# Allegro board 6089-119-RevB_08.brd (continued)
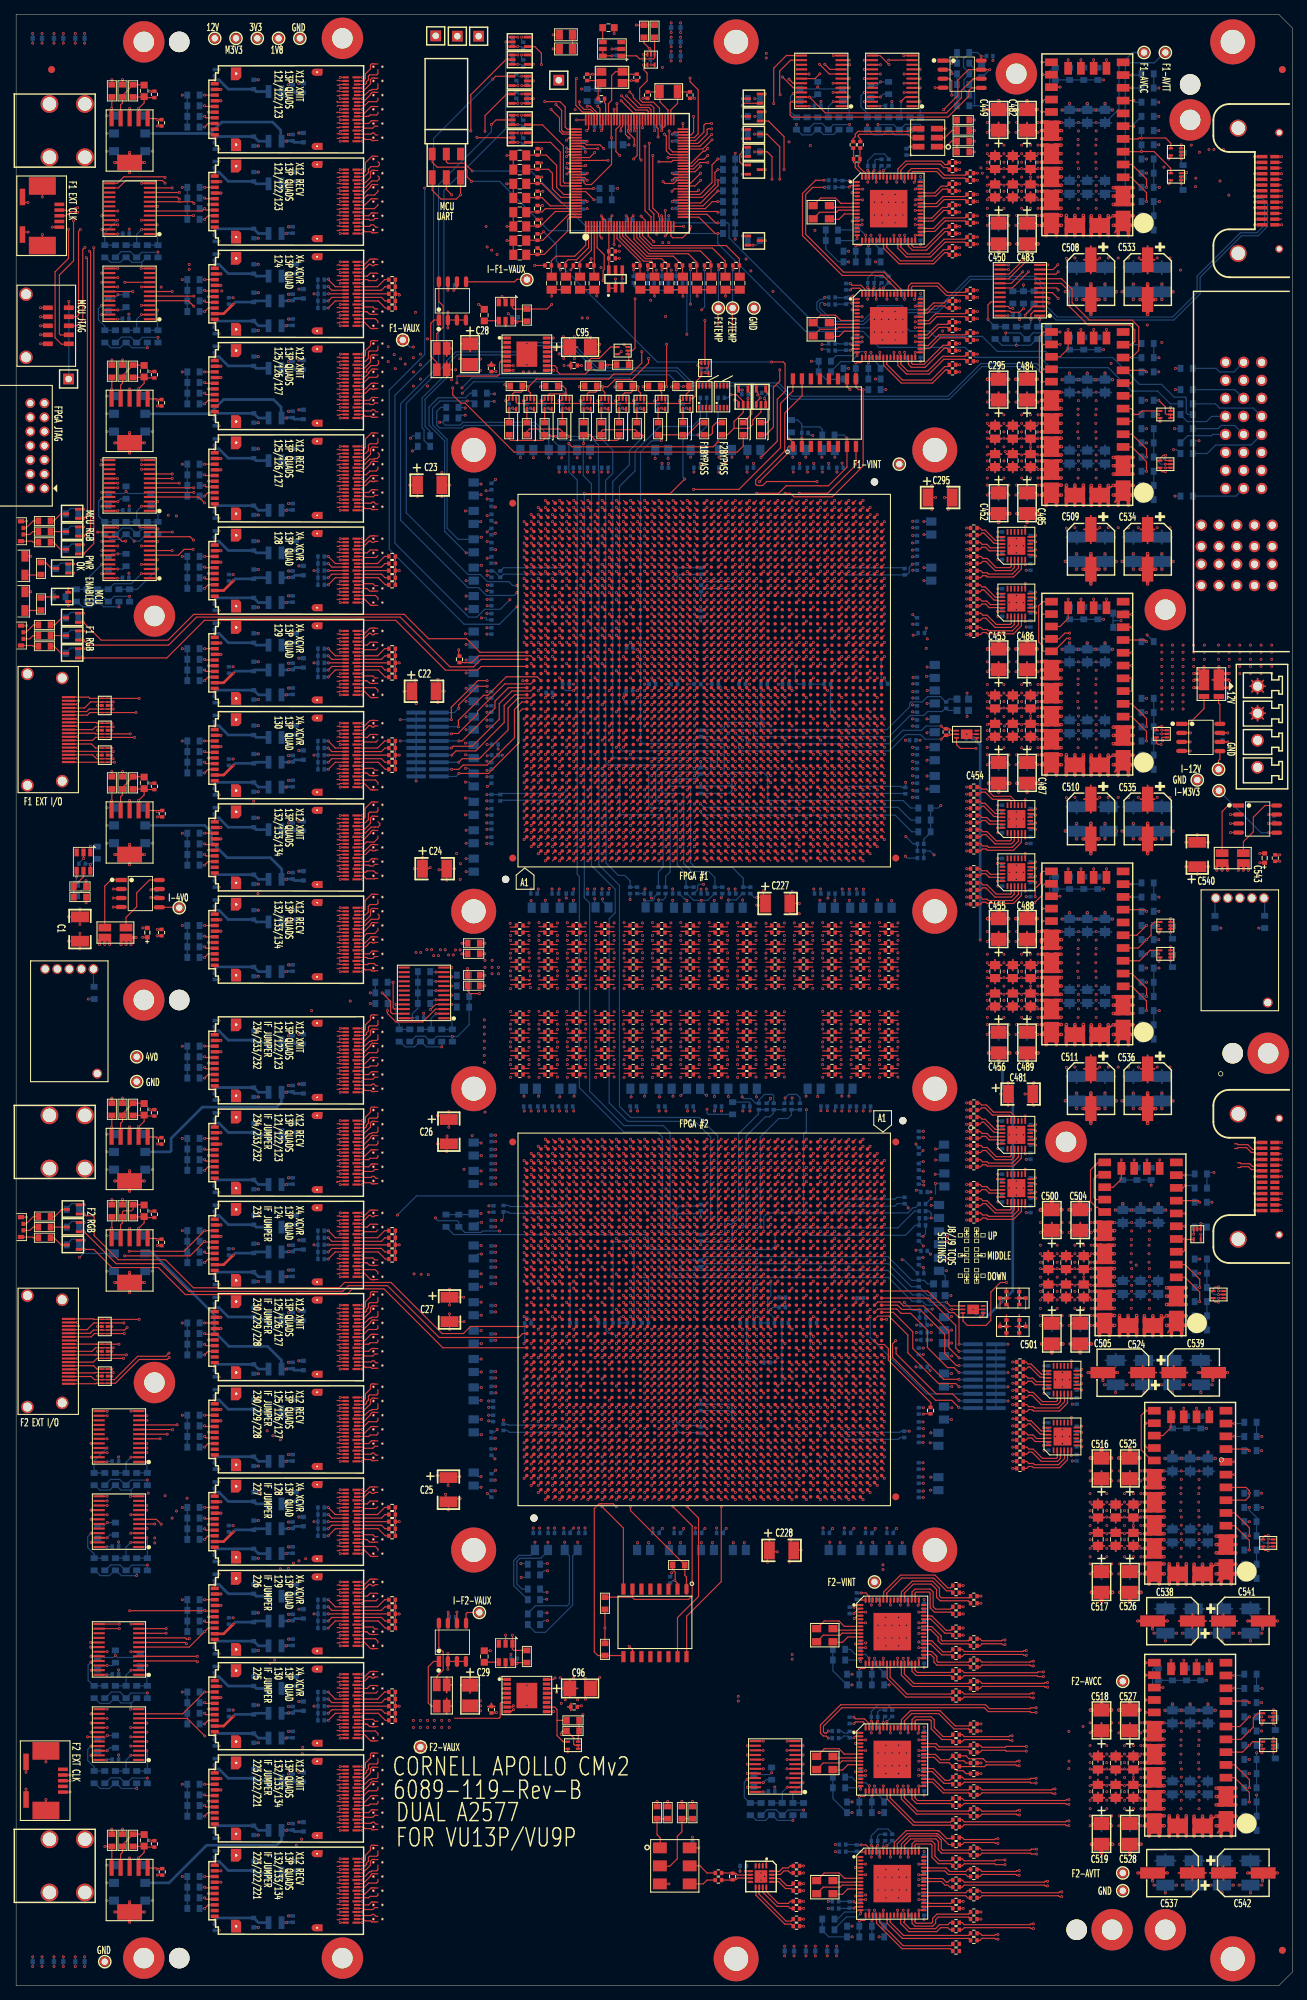
[diagram p0: board, top side]
## Routing (per net, layer and track width the routed paths; a pad name or vN(x,y) marks a point on that pad's centre or on a via; arc(x,y) is an arc through that point) (continued)
; 49.95,57.09 VA85.3 ; VA85.3 49.98,56.9 ; VA85.3 50.18,56.49 ; VA85.3 49.95,56.71 ; VA85.3 50.04,57.22 ; VA85.3 50.04,56.58 ; VA85.3 50.37,56.52 ; VA85.3 50.37,57.28 ; 50.04,132.08 VA55.3 ; VA55.3 49.98,132.4 ; VA55.3 49.95,132.21 ; VA55.3 50.37,132.78 ; VA55.3 49.95,132.59 ; VA55.3 50.37,132.02 ; VA55.3 50.04,132.72 ; VA55.3 50.18,131.99 ; 49.95,37.09 VA91.4 ; VA91.4 50.37,36.52 ; VA91.4 49.95,36.71 ; VA91.4 50.04,37.22 ; VA91.4 50.37,37.28 ; VA91.4 50.04,36.58 ; VA91.4 50.18,36.49 ; VA91.4 49.98,36.9 ; 51.63,168.52 VA40.3 ; VA40.3 51.96,168.58 ; VA40.3 52.05,169.09 ; VA40.3 51.63,169.28 ; VA40.3 52.05,168.71 ; VA40.3 51.82,169.31 ; VA40.3 52.02,168.9 ; VA40.3 51.96,169.22 ; VA42.4 52.05,164.59 ; VA42.4 51.63,164.78 ; VA42.4 52.05,164.21 ; VA42.4 51.96,164.72 ; VA42.4 51.82,164.81 ; VA42.4 51.63,164.02 ; VA42.4 51.96,164.08 ; VA42.4 52.02,164.4 ; VA99.4 51.96,19.72 ; VA99.4 52.05,19.59 ; VA99.4 51.63,19.78 ; VA99.4 51.82,19.81 ; VA99.4 51.96,19.08 ; VA99.4 52.05,19.21 ; VA99.4 51.63,19.02 ; VA99.4 52.02,19.4 ; VA53.4 51.63,136.78 ; VA53.4 51.96,136.72 ; VA53.4 51.63,136.02 ; VA53.4 51.96,136.08 ; VA53.4 52.05,136.21 ; VA53.4 51.82,136.81 ; VA53.4 52.02,136.4 ; VA53.4 52.05,136.59 ; VA76.3 50.37,82.78 ; VA76.3 50.04,82.08 ; VA76.3 49.98,82.4 ; VA76.3 50.37,82.02 ; VA76.3 50.04,82.72 ; VA76.3 49.95,82.59 ; VA76.3 50.18,81.99 ; VA76.3 49.95,82.21 ; 49.95,158.59 VA45.3 ; VA45.3 50.37,158.78 ; VA45.3 49.98,158.4 ; VA45.3 49.95,158.21 ; VA45.3 50.04,158.08 ; VA45.3 50.18,157.99 ; VA45.3 50.37,158.02 ; VA45.3 50.04,158.72 ; VA9.4 52.05,253.59 ; VA9.4 52.02,253.4 ; VA9.4 51.63,253.78 ; VA9.4 51.82,253.81 ; VA9.4 51.96,253.08 ; VA9.4 51.63,253.02 ; VA9.4 51.96,253.72 ; VA9.4 52.05,253.21 ; 51.63,251.02 VA10.4 ; VA10.4 52.02,251.4 ; VA10.4 52.05,251.21 ; VA10.4 52.05,251.59 ; VA10.4 51.63,251.78 ; VA10.4 51.96,251.72 ; VA10.4 51.96,251.08 ; VA10.4 51.82,251.81 ; VA21.4 51.82,223.81 ; VA21.4 52.05,223.59 ; VA21.4 51.63,223.02 ; VA21.4 52.02,223.4 ; VA21.4 52.05,223.21 ; VA21.4 51.96,223.08 ; VA21.4 51.96,223.72 ; VA21.4 51.63,223.78 ; VA18.4 51.63,229.78 ; VA18.4 51.96,229.72 ; VA18.4 51.63,229.02 ; VA18.4 52.05,229.59 ; VA18.4 51.96,229.08 ; VA18.4 51.82,229.81 ; VA18.4 52.02,229.4 ; VA18.4 52.05,229.21 ; VA7.4 51.82,257.81 ; VA7.4 51.63,257.78 ; VA7.4 52.05,257.21 ; VA7.4 51.96,257.08 ; VA7.4 52.02,257.4 ; VA7.4 51.63,257.02 ; VA7.4 52.05,257.59 ; VA7.4 51.96,257.72 ; 49.95,61.09 VA84.4 ; VA84.4 49.95,60.71 ; VA84.4 50.04,60.58 ; VA84.4 50.37,60.52 ; VA84.4 50.04,61.22 ; VA84.4 49.98,60.9 ; VA84.4 50.18,60.49 ; VA84.4 50.37,61.28 ; 50.37,24.02 VA97.3 ; VA97.3 49.98,24.4 ; VA97.3 50.04,24.72 ; VA97.3 49.95,24.59 ; VA97.3 50.04,24.08 ; VA97.3 50.18,23.99 ; VA97.3 49.95,24.21 ; VA97.3 50.37,24.78 ; VA77.3 50.37,80.78 ; VA77.3 49.98,80.4 ; VA77.3 50.04,80.72 ; VA77.3 49.95,80.21 ; VA77.3 50.37,80.02 ; VA77.3 50.04,80.08 ; VA77.3 50.18,79.99 ; VA77.3 49.95,80.59 ; 49.95,233.71 VA16.4 ; VA16.4 49.95,234.09 ; VA16.4 50.04,233.58 ; VA16.4 50.37,234.28 ; VA16.4 50.37,233.52 ; VA16.4 50.18,233.49 ; VA16.4 49.98,233.9 ; VA16.4 50.04,234.22 ; VA65.4 51.82,109.31 ; VA65.4 51.63,109.28 ; VA65.4 52.05,108.71 ; VA65.4 52.05,109.09 ; VA65.4 51.63,108.52 ; VA65.4 51.96,108.58 ; VA65.4 52.02,108.9 ; VA65.4 51.96,109.22 ; 49.95,126.59 VA58.3 ; VA58.3 50.18,125.99 ; VA58.3 50.04,126.72 ; VA58.3 50.37,126.02 ; VA58.3 49.98,126.4 ; VA58.3 50.37,126.78 ; VA58.3 49.95,126.21 ; VA58.3 50.04,126.08 ; 49.95,22.59 VA98.3 ; VA98.3 50.18,21.99 ; VA98.3 49.95,22.21 ; VA98.3 50.04,22.72 ; VA98.3 49.98,22.4 ; VA98.3 50.04,22.08 ; VA98.3 50.37,22.02 ; VA98.3 50.37,22.78 ; 50.37,11.02 VA103.3 ; VA103.3 50.04,11.72 ; VA103.3 50.37,11.78 ; VA103.3 49.98,11.4 ; VA103.3 49.95,11.21 ; VA103.3 49.95,11.59 ; VA103.3 50.18,10.99 ; VA103.3 50.04,11.08 ; VA44.4 52.02,160.4 ; VA44.4 51.82,160.81 ; VA44.4 52.05,160.59 ; VA44.4 51.63,160.02 ; VA44.4 51.96,160.08 ; VA44.4 52.05,160.21 ; VA44.4 51.96,160.72 ; VA44.4 51.63,160.78 ; VA33.4 52.02,190.9 ; VA33.4 51.63,191.28 ; VA33.4 51.63,190.52 ; VA33.4 51.96,190.58 ; VA33.4 51.96,191.22 ; VA33.4 51.82,191.31 ; VA33.4 52.05,190.71 ; VA33.4 52.05,191.09 ; 50.04,32.08 VA93.3 ; VA93.3 50.37,32.02 ; VA93.3 49.98,32.4 ; VA93.3 50.18,31.99 ; VA93.3 49.95,32.59 ; VA93.3 50.37,32.78 ; VA93.3 50.04,32.72 ; VA93.3 49.95,32.21 ; 51.63,149.02 VA49.4 ; VA49.4 51.63,149.78 ; VA49.4 51.82,149.81 ; VA49.4 52.02,149.4 ; VA49.4 52.05,149.21 ; VA49.4 51.96,149.08 ; VA49.4 51.96,149.72 ; VA49.4 52.05,149.59 ; VA104.4 51.82,9.81 ; VA104.4 52.02,9.4 ; VA104.4 51.96,9.72 ; VA104.4 52.05,9.59 ; VA104.4 52.05,9.21 ; VA104.4 51.63,9.78 ; VA104.4 51.96,9.08 ; VA104.4 51.63,9.02 ; VA48.3 50.37,151.78 ; VA48.3 49.98,151.4 ; VA48.3 50.04,151.72 ; VA48.3 50.18,150.99 ; VA48.3 50.04,151.08 ; VA48.3 49.95,151.59 ; VA48.3 50.37,151.02 ; VA48.3 49.95,151.21 ; 49.98,190.9 VA33.3 ; VA33.3 50.18,190.49 ; VA33.3 49.95,191.09 ; VA33.3 50.04,190.58 ; VA33.3 50.04,191.22 ; VA33.3 50.37,190.52 ; VA33.3 49.95,190.71 ; VA33.3 50.37,191.28 ; 50.04,253.72 VA9.3 ; VA9.3 50.04,253.08 ; VA9.3 49.95,253.59 ; VA9.3 50.18,252.99 ; VA9.3 50.37,253.78 ; VA9.3 49.98,253.4 ; VA9.3 50.37,253.02 ; VA9.3 49.95,253.21 ; VA20.4 51.96,225.72 ; VA20.4 52.05,225.59 ; VA20.4 51.82,225.81 ; VA20.4 51.63,225.78 ; VA20.4 52.05,225.21 ; VA20.4 52.02,225.4 ; VA20.4 51.63,225.02 ; VA20.4 51.96,225.08 ; VA40.4 50.37,169.28 ; VA40.4 50.37,168.52 ; VA40.4 50.04,168.58 ; VA40.4 50.18,168.49 ; VA40.4 49.98,168.9 ; VA40.4 49.95,169.09 ; VA40.4 50.04,169.22 ; VA40.4 49.95,168.71 ; 50.04,203.58 VA29.3 ; VA29.3 49.95,204.09 ; VA29.3 50.37,204.28 ; VA29.3 49.95,203.71 ; VA29.3 49.98,203.9 ; VA29.3 50.37,203.52 ; VA29.3 50.18,203.49 ; VA29.3 50.04,204.22 ; 51.63,130.02 VA56.4 ; VA56.4 52.05,130.59 ; VA56.4 51.96,130.72 ; VA56.4 52.02,130.4 ; VA56.4 52.05,130.21 ; VA56.4 51.96,130.08 ; VA56.4 51.63,130.78 ; VA56.4 51.82,130.81 ; VA86.4 51.82,55.31 ; VA86.4 52.05,54.71 ; VA86.4 51.63,54.52 ; VA86.4 52.02,54.9 ; VA86.4 51.96,55.22 ; VA86.4 52.05,55.09 ; VA86.4 51.96,54.58 ; VA86.4 51.63,55.28 ; VA94.4 51.82,30.81 ; VA94.4 51.63,30.02 ; VA94.4 52.05,30.21 ; VA94.4 51.63,30.78 ; VA94.4 51.96,30.72 ; VA94.4 52.05,30.59 ; VA94.4 52.02,30.4 ; VA94.4 51.96,30.08 ; VA77.4 51.63,80.78 ; VA77.4 51.96,80.72 ; VA77.4 51.82,80.81 ; VA77.4 51.96,80.08 ; VA77.4 52.05,80.59 ; VA77.4 52.05,80.21 ; VA77.4 51.63,80.02 ; VA77.4 52.02,80.4 ; VA89.4 51.63,44.28 ; VA89.4 51.96,43.58 ; VA89.4 52.05,44.09 ; VA89.4 52.02,43.9 ; VA89.4 51.63,43.52 ; VA89.4 51.96,44.22 ; VA89.4 51.82,44.31 ; VA89.4 52.05,43.71 ; VA85.4 51.96,57.22 ; VA85.4 52.05,57.09 ; VA85.4 52.02,56.9 ; VA85.4 51.96,56.58 ; VA85.4 51.82,57.31 ; VA85.4 51.63,56.52 ; VA85.4 52.05,56.71 ; VA85.4 51.63,57.28 ; 166.5,169.02 PM24.1 ; PM24.1 167.17,169.23 ; PM24.1 165.83,170.57 ; PM24.1 166.5,170.78 ; PM24.1 165.83,169.23 ; PM24.1 167.38,169.9 ; PM24.1 167.17,170.57 ; PM24.1 165.62,169.9 ; 50.18,83.99 VA75.3 ; VA75.3 50.37,84.02 ; VA75.3 50.04,84.72 ; VA75.3 50.37,84.78 ; VA75.3 49.98,84.4 ; VA75.3 49.95,84.59 ; VA75.3 49.95,84.21 ; VA75.3 50.04,84.08 ; VA37.4 51.96,177.58 ; VA37.4 52.02,177.9 ; VA37.4 51.63,178.28 ; VA37.4 52.05,177.71 ; VA37.4 51.96,178.22 ; VA37.4 51.82,178.31 ; VA37.4 51.63,177.52 ; VA37.4 52.05,178.09 ; PM16.1 104.88,236.4 ; PM16.1 103.12,236.4 ; PM16.1 103.33,237.07 ; PM16.1 104.67,235.73 ; PM16.1 104,237.28 ; PM16.1 104.67,237.07 ; PM16.1 103.33,235.73 ; PM16.1 104,235.52 ; 49.95,149.21 VA49.3 ; VA49.3 50.04,149.72 ; VA49.3 50.37,149.78 ; VA49.3 49.95,149.59 ; VA49.3 50.18,148.99 ; VA49.3 50.37,149.02 ; VA49.3 49.98,149.4 ; VA49.3 50.04,149.08 ; VA59.4 52.05,123.59 ; VA59.4 51.63,123.02 ; VA59.4 52.05,123.21 ; VA59.4 52.02,123.4 ; VA59.4 51.96,123.72 ; VA59.4 51.63,123.78 ; VA59.4 51.96,123.08 ; VA59.4 51.82,123.81 ; VA50.4 51.96,147.08 ; VA50.4 51.63,147.02 ; VA50.4 51.82,147.81 ; VA50.4 51.96,147.72 ; VA50.4 52.05,147.59 ; VA50.4 52.05,147.21 ; VA50.4 52.02,147.4 ; VA50.4 51.63,147.78 ; VA72.4 51.82,91.81 ; VA72.4 51.63,91.02 ; VA72.4 52.05,91.21 ; VA72.4 51.96,91.08 ; VA72.4 51.63,91.78 ; VA72.4 52.05,91.59 ; VA72.4 52.02,91.4 ; VA72.4 51.96,91.72 ; VA93.4 51.96,32.72 ; VA93.4 51.82,32.81 ; VA93.4 51.63,32.78 ; VA93.4 52.02,32.4 ; VA93.4 51.63,32.02 ; VA93.4 52.05,32.21 ; VA93.4 51.96,32.08 ; VA93.4 52.05,32.59 ; 49.95,13.59 VA102.3 ; VA102.3 50.04,13.08 ; VA102.3 49.98,13.4 ; VA102.3 50.37,13.78 ; VA102.3 50.18,12.99 ; VA102.3 50.04,13.72 ; VA102.3 49.95,13.21 ; VA102.3 50.37,13.02 ; 49.98,247.4 VA12.3 ; VA12.3 49.95,247.21 ; VA12.3 50.04,247.72 ; VA12.3 50.37,247.02 ; VA12.3 49.95,247.59 ; VA12.3 50.37,247.78 ; VA12.3 50.18,246.99 ; VA12.3 50.04,247.08 ; 50.04,182.22 VA36.4 ; VA36.4 49.95,182.09 ; VA36.4 50.04,181.58 ; VA36.4 50.18,181.49 ; VA36.4 50.37,181.52 ; VA36.4 49.95,181.71 ; VA36.4 50.37,182.28 ; VA36.4 49.98,181.9 ; 49.95,221.59 VA22.3 ; VA22.3 50.18,220.99 ; VA22.3 50.37,221.02 ; VA22.3 50.04,221.72 ; VA22.3 50.37,221.78 ; VA22.3 50.04,221.08 ; VA22.3 49.95,221.21 ; VA22.3 49.98,221.4 ; VA83.3 51.63,63.28 ; VA83.3 52.05,62.71 ; VA83.3 51.82,63.31 ; VA83.3 51.63,62.52 ; VA83.3 52.02,62.9 ; VA83.3 51.96,63.22 ; VA83.3 52.05,63.09 ; VA83.3 51.96,62.58 ; 50.37,49.52 VA87.4 ; VA87.4 50.04,49.58 ; VA87.4 49.95,50.09 ; VA87.4 50.37,50.28 ; VA87.4 50.18,49.49 ; VA87.4 49.95,49.71 ; VA87.4 49.98,49.9 ; VA87.4 50.04,50.22 ; 50.37,134.02 VA54.3 ; VA54.3 49.95,134.59 ; VA54.3 50.04,134.08 ; VA54.3 50.18,133.99 ; VA54.3 50.37,134.78 ; VA54.3 49.95,134.21 ; VA54.3 50.04,134.72 ; VA54.3 49.98,134.4 ; VA23.3 50.37,218.78 ; VA23.3 50.04,218.08 ; VA23.3 50.04,218.72 ; VA23.3 50.18,217.99 ; VA23.3 49.98,218.4 ; VA23.3 49.95,218.59 ; VA23.3 50.37,218.02 ; VA23.3 49.95,218.21 ; VA14.4 52.05,241.09 ; VA14.4 51.96,241.22 ; VA14.4 52.05,240.71 ; VA14.4 51.63,240.52 ; VA14.4 52.02,240.9 ; VA14.4 51.63,241.28 ; VA14.4 51.82,241.31 ; VA14.4 51.96,240.58 ; 51.63,212.02 VA26.4 ; VA26.4 51.96,212.08 ; VA26.4 51.96,212.72 ; VA26.4 52.02,212.4 ; VA26.4 52.05,212.59 ; VA26.4 51.82,212.81 ; VA26.4 51.63,212.78 ; VA26.4 52.05,212.21 ; VA62.4 51.63,117.78 ; VA62.4 52.05,117.59 ; VA62.4 52.05,117.21 ; VA62.4 52.02,117.4 ; VA62.4 51.96,117.72 ; VA62.4 51.63,117.02 ; VA62.4 51.96,117.08 ; VA62.4 51.82,117.81 ; 16.33,126.73 PM3.1 ; PM3.1 16.12,127.4 ; PM3.1 17.67,126.73 ; PM3.1 16.33,128.07 ; PM3.1 17,128.28 ; PM3.1 17,126.52 ; PM3.1 17.88,127.4 ; PM3.1 17.67,128.07 ; 49.95,170.71 VA39.4 ; VA39.4 50.18,170.49 ; VA39.4 50.37,170.52 ; VA39.4 49.98,170.9 ; VA39.4 50.37,171.28 ; VA39.4 49.95,171.09 ; VA39.4 50.04,171.22 ; VA39.4 50.04,170.58 ; VA90.4 52.05,42.09 ; VA90.4 51.63,42.28 ; VA90.4 52.05,41.71 ; VA90.4 51.82,42.31 ; VA90.4 51.96,41.58 ; VA90.4 51.63,41.52 ; VA90.4 52.02,41.9 ; VA90.4 51.96,42.22 ; VA84.3 51.96,61.22 ; VA84.3 52.05,60.71 ; VA84.3 51.96,60.58 ; VA84.3 51.82,61.31 ; VA84.3 51.63,61.28 ; VA84.3 51.63,60.52 ; VA84.3 52.05,61.09 ; VA84.3 52.02,60.9 ; 50.37,268.02 VA2.3 ; VA2.3 49.98,268.4 ; VA2.3 49.95,268.21 ; VA2.3 50.37,268.78 ; VA2.3 49.95,268.59 ; VA2.3 50.04,268.08 ; VA2.3 50.04,268.72 ; VA2.3 50.18,267.99 ; 50.04,44.22 VA89.3 ; VA89.3 49.95,44.09 ; VA89.3 50.37,43.52 ; VA89.3 49.98,43.9 ; VA89.3 49.95,43.71 ; VA89.3 50.37,44.28 ; VA89.3 50.04,43.58 ; VA89.3 50.18,43.49 ; 51.63,128.02 VA57.4 ; VA57.4 52.05,128.21 ; VA57.4 52.02,128.4 ; VA57.4 51.96,128.72 ; VA57.4 51.96,128.08 ; VA57.4 51.63,128.78 ; VA57.4 51.82,128.81 ; VA57.4 52.05,128.59 ; 50.37,28.02 VA95.3 ; VA95.3 50.04,28.72 ; VA95.3 50.18,27.99 ; VA95.3 50.37,28.78 ; VA95.3 49.95,28.21 ; VA95.3 50.04,28.08 ; VA95.3 49.98,28.4 ; VA95.3 49.95,28.59 ; VA13.4 52.05,242.71 ; VA13.4 51.96,243.22 ; VA13.4 51.63,243.28 ; VA13.4 51.96,242.58 ; VA13.4 52.05,243.09 ; VA13.4 51.82,243.31 ; VA13.4 51.63,242.52 ; VA13.4 52.02,242.9 ; 51.63,235.52 VA15.3 ; VA15.3 51.82,236.31 ; VA15.3 51.96,236.22 ; VA15.3 52.05,236.09 ; VA15.3 52.05,235.71 ; VA15.3 51.63,236.28 ; VA15.3 51.96,235.58 ; VA15.3 52.02,235.9 ; VA75.4 52.05,84.21 ; VA75.4 51.96,84.72 ; VA75.4 51.63,84.02 ; VA75.4 52.05,84.59 ; VA75.4 51.82,84.81 ; VA75.4 51.63,84.78 ; VA75.4 51.96,84.08 ; VA75.4 52.02,84.4 ; 49.98,145.4 VA51.3 ; VA51.3 49.95,145.59 ; VA51.3 50.18,144.99 ; VA51.3 49.95,145.21 ; VA51.3 50.04,145.08 ; VA51.3 50.04,145.72 ; VA51.3 50.37,145.02 ; VA51.3 50.37,145.78 ; VA30.4 52.05,201.71 ; VA30.4 51.96,201.58 ; VA30.4 52.02,201.9 ; VA30.4 51.63,201.52 ; VA30.4 51.63,202.28 ; VA30.4 51.82,202.31 ; VA30.4 52.05,202.09 ; VA30.4 51.96,202.22 ; VA80.4 52.05,74.21 ; VA80.4 52.02,74.4 ; VA80.4 51.96,74.08 ; VA80.4 51.82,74.81 ; VA80.4 51.96,74.72 ; VA80.4 51.63,74.78 ; VA80.4 52.05,74.59 ; VA80.4 51.63,74.02 ; VA78.4 52.05,78.21 ; VA78.4 51.96,78.72 ; VA78.4 51.63,78.02 ; VA78.4 52.05,78.59 ; VA78.4 51.63,78.78 ; VA78.4 51.82,78.81 ; VA78.4 52.02,78.4 ; VA78.4 51.96,78.08 ; J5.22 7.31,183.46 ; J5.22 7.57,184.26 ; J5.22 6.5,185.33 ; J5.22 5.43,184.26 ; J5.22 5.69,183.46 ; J5.22 5.69,185.07 ; J5.22 6.5,183.2 ; J5.22 7.31,185.07 ; 49.95,229.21 VA18.3 ; VA18.3 50.37,229.02 ; VA18.3 49.95,229.59 ; VA18.3 50.04,229.08 ; VA18.3 50.37,229.78 ; VA18.3 50.04,229.72 ; VA18.3 50.18,228.99 ; VA18.3 49.98,229.4 ; 12.5,2.52 PM1.1 ; PM1.1 11.62,3.4 ; PM1.1 13.38,3.4 ; PM1.1 11.83,2.73 ; PM1.1 11.83,4.07 ; PM1.1 12.5,4.28 ; PM1.1 13.17,2.73 ; PM1.1 13.17,4.07 ; 50.37,26.02 VA96.3 ; VA96.3 49.95,26.21 ; VA96.3 49.95,26.59 ; VA96.3 50.04,26.08 ; VA96.3 49.98,26.4 ; VA96.3 50.18,25.99 ; VA96.3 50.37,26.78 ; VA96.3 50.04,26.72 ; 51.63,69.52 VA81.4 ; VA81.4 52.02,69.9 ; VA81.4 52.05,69.71 ; VA81.4 51.63,70.28 ; VA81.4 51.96,69.58 ; VA81.4 51.82,70.31 ; VA81.4 51.96,70.22 ; VA81.4 52.05,70.09 ; 49.98,242.9 VA13.3 ; VA13.3 50.04,242.58 ; VA13.3 50.37,243.28 ; VA13.3 50.04,243.22 ; VA13.3 50.37,242.52 ; VA13.3 50.18,242.49 ; VA13.3 49.95,243.09 ; VA13.3 49.95,242.71 ; 50.04,17.72 VA100.3 ; VA100.3 50.37,17.78 ; VA100.3 49.95,17.59 ; VA100.3 49.95,17.21 ; VA100.3 50.18,16.99 ; VA100.3 50.04,17.08 ; VA100.3 50.37,17.02 ; VA100.3 49.98,17.4 ; VA22.4 51.96,221.08 ; VA22.4 51.63,221.78 ; VA22.4 52.05,221.21 ; VA22.4 52.05,221.59 ; VA22.4 51.96,221.72 ; VA22.4 51.82,221.81 ; VA22.4 51.63,221.02 ; VA22.4 52.02,221.4 ; VA81.3 50.37,70.28 ; VA81.3 50.04,70.22 ; VA81.3 49.98,69.9 ; VA81.3 49.95,70.09 ; VA81.3 50.18,69.49 ; VA81.3 50.04,69.58 ; VA81.3 50.37,69.52 ; VA81.3 49.95,69.71 ; 49.95,128.59 VA57.3 ; VA57.3 50.18,127.99 ; VA57.3 49.98,128.4 ; VA57.3 50.37,128.78 ; VA57.3 50.37,128.02 ; VA57.3 50.04,128.08 ; VA57.3 50.04,128.72 ; VA57.3 49.95,128.21 ; VA55.4 52.05,132.59 ; VA55.4 51.63,132.02 ; VA55.4 52.05,132.21 ; VA55.4 51.96,132.72 ; VA55.4 51.96,132.08 ; VA55.4 51.63,132.78 ; VA55.4 52.02,132.4 ; VA55.4 51.82,132.81 ; 50.18,94.99 VA70.3 ; VA70.3 50.37,95.02 ; VA70.3 50.04,95.08 ; VA70.3 50.04,95.72 ; VA70.3 49.95,95.21 ; VA70.3 50.37,95.78 ; VA70.3 49.95,95.59 ; VA70.3 49.98,95.4 ; 50.04,113.72 VA64.3 ; VA64.3 49.98,113.4 ; VA64.3 49.95,113.21 ; VA64.3 50.37,113.02 ; VA64.3 50.04,113.08 ; VA64.3 50.18,112.99 ; VA64.3 50.37,113.78 ; VA64.3 49.95,113.59 ; VA88.3 52.05,48.09 ; VA88.3 51.96,47.58 ; VA88.3 52.02,47.9 ; VA88.3 51.96,48.22 ; VA88.3 51.82,48.31 ; VA88.3 51.63,47.52 ; VA88.3 52.05,47.71 ; VA88.3 51.63,48.28 ; J5.21 7.57,169.74 ; J5.21 5.69,168.93 ; J5.21 7.31,168.93 ; J5.21 5.69,170.54 ; J5.21 5.43,169.74 ; J5.21 6.5,170.8 ; J5.21 6.5,168.67 ; J5.21 7.31,170.54 ; J5.20 2.4,169.96 ; J5.20 2.05,170.2 ; J5.20 1.6,168.08 ; J5.20 1.15,168.11 ; J5.20 1.6,170.22 ; J5.20 2.66,169.15 ; J5.20 2.64,169.6 ; J5.20 2.4,168.35 ; 49.98,76.4 VA79.3 ; VA79.3 49.95,76.21 ; VA79.3 50.37,76.02 ; VA79.3 50.04,76.08 ; VA79.3 50.04,76.72 ; VA79.3 49.95,76.59 ; VA79.3 50.18,75.99 ; VA79.3 50.37,76.78 ; 51.63,87.02 VA74.4 ; VA74.4 51.63,87.78 ; VA74.4 52.05,87.21 ; VA74.4 51.82,87.81 ; VA74.4 52.02,87.4 ; VA74.4 51.96,87.72 ; VA74.4 51.96,87.08 ; VA74.4 52.05,87.59 ; VA79.4 51.63,76.78 ; VA79.4 52.05,76.21 ; VA79.4 51.82,76.81 ; VA79.4 52.02,76.4 ; VA79.4 51.96,76.08 ; VA79.4 52.05,76.59 ; VA79.4 51.96,76.72 ; VA79.4 51.63,76.02 ; VA98.4 51.96,22.08 ; VA98.4 52.05,22.21 ; VA98.4 52.05,22.59 ; VA98.4 51.63,22.02 ; VA98.4 51.63,22.78 ; VA98.4 52.02,22.4 ; VA98.4 51.82,22.81 ; VA98.4 51.96,22.72 ; VA47.4 52.02,153.4 ; VA47.4 51.96,153.72 ; VA47.4 51.96,153.08 ; VA47.4 52.05,153.59 ; VA47.4 51.63,153.78 ; VA47.4 51.63,153.02 ; VA47.4 51.82,153.81 ; VA47.4 52.05,153.21 ; 50.18,209.99 VA27.3 ; VA27.3 50.37,210.78 ; VA27.3 50.37,210.02 ; VA27.3 50.04,210.72 ; VA27.3 49.95,210.59 ; VA27.3 49.98,210.4 ; VA27.3 49.95,210.21 ; VA27.3 50.04,210.08 ; 49.95,143.59 VA52.3 ; VA52.3 49.95,143.21 ; VA52.3 50.04,143.72 ; VA52.3 50.18,142.99 ; VA52.3 50.37,143.02 ; VA52.3 49.98,143.4 ; VA52.3 50.37,143.78 ; VA52.3 50.04,143.08 ; 50.18,254.99 VA8.3 ; VA8.3 50.37,255.78 ; VA8.3 50.04,255.08 ; VA8.3 49.95,255.21 ; VA8.3 50.04,255.72 ; VA8.3 50.37,255.02 ; VA8.3 49.98,255.4 ; VA8.3 49.95,255.59 ; VA31.3 52.05,197.09 ; VA31.3 51.96,196.58 ; VA31.3 52.05,196.71 ; VA31.3 51.82,197.31 ; VA31.3 51.63,196.52 ; VA31.3 51.96,197.22 ; VA31.3 52.02,196.9 ; VA31.3 51.63,197.28 ; VA96.4 52.05,26.59 ; VA96.4 52.02,26.4 ; VA96.4 51.96,26.72 ; VA96.4 51.63,26.78 ; VA96.4 51.63,26.02 ; VA96.4 51.82,26.81 ; VA96.4 51.96,26.08 ; VA96.4 52.05,26.21 ; VA19.3 50.37,227.78 ; VA19.3 49.98,227.4 ; VA19.3 49.95,227.21 ; VA19.3 50.04,227.08 ; VA19.3 50.18,226.99 ; VA19.3 49.95,227.59 ; VA19.3 50.04,227.72 ; VA19.3 50.37,227.02 ; 51.63,227.02 VA19.4 ; VA19.4 51.96,227.72 ; VA19.4 52.02,227.4 ; VA19.4 52.05,227.21 ; VA19.4 51.82,227.81 ; VA19.4 51.63,227.78 ; VA19.4 52.05,227.59 ; VA19.4 51.96,227.08 ; VA70.4 52.05,95.59 ; VA70.4 51.82,95.81 ; VA70.4 52.05,95.21 ; VA70.4 51.63,95.02 ; VA70.4 51.96,95.08 ; VA70.4 52.02,95.4 ; VA70.4 51.63,95.78 ; VA70.4 51.96,95.72 ; VA64.4 51.96,113.72 ; VA64.4 51.82,113.81 ; VA64.4 51.63,113.02 ; VA64.4 52.05,113.59 ; VA64.4 51.63,113.78 ; VA64.4 52.05,113.21 ; VA64.4 52.02,113.4 ; VA64.4 51.96,113.08 ; VA100.4 52.05,17.21 ; VA100.4 51.96,17.72 ; VA100.4 52.05,17.59 ; VA100.4 51.82,17.81 ; VA100.4 52.02,17.4 ; VA100.4 51.63,17.02 ; VA100.4 51.96,17.08 ; VA100.4 51.63,17.78